# KiCad board MozzaCircuit.kicad_pcb (continued)
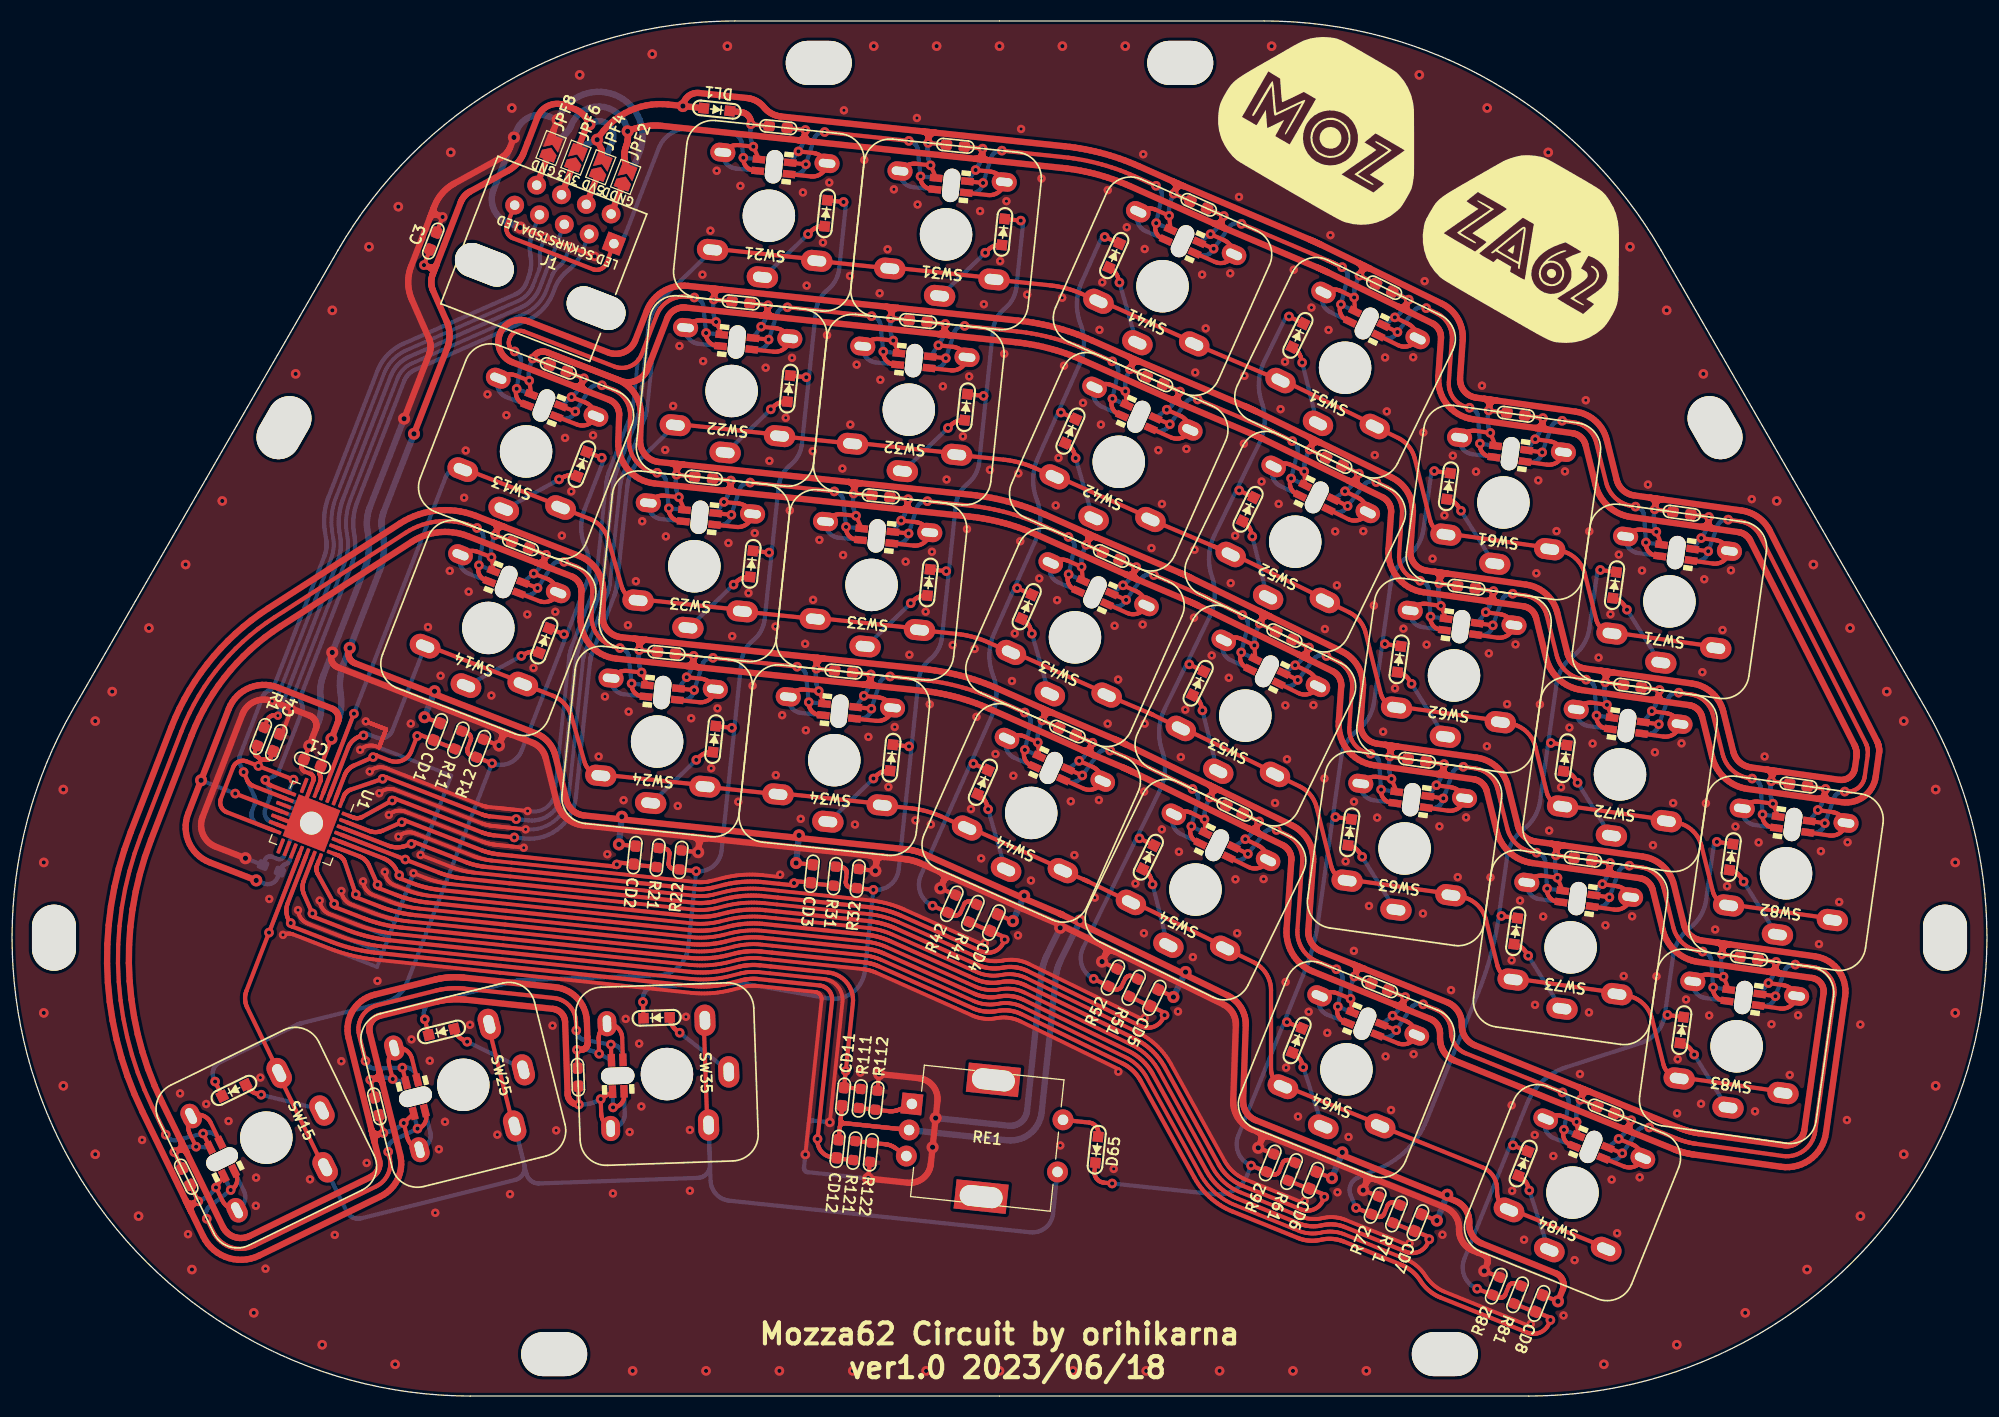
[diagram p0: board, top side]
## Routing (per net, layer and track width the routed paths; a pad name or vN(x,y) marks a point on that pad's centre or on a via; arc(x,y) is an arc through that point) (continued)
  Bottom w0.4: SW21.3 62.08,104.74 61.93,104.59 61.79,104.44 61.66,104.28 61.53,104.11 61.42,103.93 61.31,103.76 61.21,103.57 61.12,103.38 61.03,103.19 60.96,103 60.89,102.8 60.84,102.59 60.79,102.39 60.76,102.18 60.73,101.98 60.4,98.86 59.93,94.38 59.92,94.25 59.91,94.19 59.9,94.12 59.88,94.06 59.87,93.99 59.86,93.93 59.84,93.87 59.82,93.8 59.81,93.74 59.79,93.68 59.77,93.62 59.75,93.56 59.73,93.49 59.7,93.43 57.63,88.08 57.6,88.01 57.57,87.94 57.55,87.86 57.53,87.79 57.5,87.72 57.48,87.64 57.44,87.49 57.43,87.42 57.41,87.34 57.4,87.26 57.39,87.19 57.37,87.11 57.36,87.04 57.36,86.96 56.85,82.14 56.38,77.66 56.36,77.53 56.35,77.47 56.34,77.4 56.33,77.34 56.32,77.27 56.3,77.21 56.29,77.15 56.27,77.08 56.25,77.02 56.23,76.96 56.21,76.9 56.19,76.84 56.17,76.77 56.15,76.71 54.07,71.36 54.05,71.29 54.02,71.22 53.99,71.14 53.97,71.07 53.95,71 53.93,70.92 53.89,70.77 53.87,70.7 53.86,70.62 53.84,70.54 53.83,70.47 53.82,70.39 53.81,70.32 53.8,70.24 53.29,65.42 52.46,57.48 52.41,57.18 52.33,56.89 52.23,56.61 52.09,56.34 51.93,56.09 51.74,55.85 51.52,55.64 51.29,55.45 51.04,55.28 50.77,55.15 50.49,55.04 50.19,54.96 49.9,54.91 49.6,54.9 49.3,54.91 v2(48.1,55.04) ; 31.51,56.84 31.66,57.23 31.68,57.28 31.71,57.34 31.74,57.39 31.77,57.44 31.81,57.49 31.85,57.54 31.89,57.58 31.93,57.63 31.98,57.67 32.03,57.7 32.08,57.74 32.13,57.77 32.19,57.8 32.24,57.82 32.3,57.84 v2(35.36,58.88)
ROW2: length 199.3
  Top w0.4: 173.69,45.41 173.7,45.53 163.8,46.92 163.78,46.8 163.64,46.83 163.5,46.86 163.37,46.91 163.24,46.97 163.11,47.04 162.99,47.11 162.88,47.2 162.77,47.3 162.67,47.4 162.58,47.51 162.5,47.63 162.43,47.76 162.37,47.89 162.32,48.02 162.28,48.16 161.2,52.48 161.13,52.71 161.05,52.93 160.95,53.14 160.83,53.35 160.69,53.54 160.54,53.73 160.38,53.9 160.21,54.06 160.02,54.2 159.82,54.33 159.61,54.45 159.39,54.54 159.17,54.62 158.94,54.68 158.7,54.72 SW72.2 157.86,54.96 147.96,56.36 SW72.3 147.8,56.26 147.66,56.3 147.53,56.35 147.4,56.4 147.27,56.47 147.15,56.55 147.04,56.64 146.93,56.73 146.83,56.84 146.74,56.95 146.66,57.07 146.59,57.19 146.53,57.32 146.47,57.46 146.43,57.59 145.36,61.92 145.29,62.14 145.21,62.37 145.1,62.58 144.99,62.79 144.85,62.98 144.7,63.17 144.54,63.34 144.36,63.5 144.18,63.64 143.98,63.77 143.77,63.88 143.55,63.98 143.33,64.06 143.1,64.12 142.86,64.16 142,64.28 142.02,64.4 132.12,65.79 SW62.3 131.96,65.7 131.82,65.74 131.69,65.78 131.55,65.84 131.43,65.91 131.31,65.99 131.19,66.07 131.09,66.17 130.99,66.27 130.9,66.39 130.82,66.5 130.75,66.63 130.68,66.76 130.63,66.89 130.59,67.03 129.15,72.81 129.11,72.97 129.05,73.14 128.98,73.3 128.91,73.46 128.82,73.61 128.73,73.76 128.63,73.9 128.52,74.03 128.4,74.16 128.28,74.29 128.14,74.4 128.01,74.51 127.86,74.6 127.71,74.69 127.56,74.78 SW52.2 125.31,76 116.33,80.39 SW52.3 115.09,80.86 115.06,80.87 115.03,80.89 115,80.9 114.97,80.92 114.93,80.93 114.9,80.95 114.87,80.96 114.84,80.97 114.81,80.99 114.62,81.07 108.62,83.62 108.67,83.73 99.53,87.8 SW42.3 97.61,88.52 97.42,88.6 97.22,88.68 97.03,88.76 96.83,88.83 96.63,88.9 96.43,88.96 96.23,89.02 96.03,89.07 95.82,89.12 95.62,89.17 95.42,89.21 95.21,89.24 95,89.28 94.79,89.31 94.59,89.33 90.14,89.8 90.15,89.92 80.21,90.96 80.19,90.84 SW22.2 73.24,91.69 63.3,92.74 SW22.3 ; v2(47.92,53.29) 46.01,53.49 45.85,53.51 45.77,53.52 45.69,53.53 45.61,53.55 45.53,53.57 45.45,53.58 45.37,53.6 45.29,53.62 45.21,53.65 45.13,53.67 45.05,53.69 44.97,53.72 44.9,53.75 44.82,53.78 36.61,56.96 36.58,56.97 36.56,56.98 36.53,56.98 36.5,56.98 36.48,56.98 36.45,56.97 36.42,56.96 36.4,56.95 36.37,56.94 36.35,56.92 36.33,56.9 36.31,56.88 36.3,56.86 36.28,56.84 v2(36.27,56.81) 33.44,55.26 33.39,55.23 33.33,55.2 33.27,55.18 33.22,55.16 33.16,55.15 33.1,55.14 33.04,55.13 32.97,55.13 32.91,55.13 32.85,55.13 32.79,55.14 32.73,55.15 32.67,55.16 32.61,55.18 32.56,55.2 U1.28
  Bottom w0.4: v2(36.27,56.81) 33.44,55.26 33.39,55.23 33.33,55.2 33.27,55.18 33.22,55.16 33.16,55.15 33.1,55.14 33.04,55.13 32.97,55.13 32.91,55.13 32.85,55.13 32.79,55.14 32.73,55.15 32.67,55.16 32.61,55.18 32.56,55.2 U1.28 ; SW22.3 60.05,89.49 59.9,89.34 59.76,89.19 59.63,89.03 59.5,88.86 59.39,88.68 59.28,88.51 59.18,88.32 59.08,88.13 59,87.94 58.93,87.75 58.86,87.55 58.81,87.34 58.76,87.14 58.73,86.93 58.7,86.73 58.2,81.99 57.73,77.52 57.72,77.43 57.71,77.34 57.7,77.25 57.68,77.16 57.66,77.08 57.65,76.99 57.63,76.9 57.61,76.82 57.58,76.73 57.56,76.64 57.53,76.56 57.51,76.47 57.48,76.39 57.45,76.31 57.42,76.22 55.34,70.87 55.32,70.82 55.3,70.77 55.29,70.72 55.27,70.67 55.24,70.57 55.23,70.51 55.22,70.46 55.2,70.41 55.19,70.36 55.18,70.26 55.17,70.2 55.16,70.15 55.15,70.1 54.65,65.27 53.79,57.14 53.72,56.68 53.6,56.23 53.43,55.79 53.22,55.38 52.97,54.99 52.68,54.63 52.35,54.3 51.99,54.01 51.6,53.75 51.18,53.54 50.75,53.38 50.3,53.26 49.84,53.18 49.38,53.16 48.91,53.18 v2(47.92,53.29)
ROW3: length 196
  Top w0.4: 43.01,88.38 43.05,88.49 52.38,84.87 SW13.2 55.08,83.69 55.25,83.62 55.42,83.54 55.58,83.45 55.73,83.35 55.88,83.23 56.02,83.11 56.15,82.99 56.28,82.85 56.39,82.71 56.5,82.56 56.59,82.4 56.68,82.24 56.76,82.07 56.83,81.9 56.88,81.72 58.18,77.2 58.22,77.07 58.28,76.94 58.35,76.81 58.42,76.69 58.51,76.57 58.6,76.46 58.7,76.36 58.81,76.27 58.93,76.19 59.05,76.11 59.18,76.05 59.31,76 59.45,75.95 59.59,75.92 SW23.3 59.75,76.02 69.69,74.97 69.68,74.85 SW33.3 76.65,74.24 86.6,73.2 86.58,73.08 90.13,72.71 90.34,72.68 90.54,72.65 90.75,72.62 90.96,72.58 91.16,72.54 91.37,72.5 91.57,72.45 91.77,72.39 91.98,72.33 92.17,72.27 92.37,72.2 92.57,72.13 92.77,72.06 92.96,71.98 93.15,71.9 SW43.3 95.35,71.05 104.49,66.98 SW43.2 108.43,65.17 108.47,65.16 108.59,65.1 108.63,65.09 108.66,65.08 108.72,65.05 108.75,65.03 108.82,65 108.88,64.97 108.91,64.96 SW53.3 111.57,63.79 120.56,59.41 120.5,59.3 122.87,58.15 123.03,58.07 123.18,57.98 123.32,57.88 123.46,57.77 123.59,57.66 123.72,57.53 123.83,57.41 123.94,57.27 124.05,57.13 124.14,56.98 124.22,56.83 124.3,56.67 124.37,56.51 124.42,56.34 124.47,56.18 125.88,50.53 125.92,50.39 125.97,50.25 126.03,50.12 126.1,50 126.18,49.88 126.27,49.77 126.37,49.67 126.48,49.57 126.59,49.48 126.71,49.4 126.84,49.34 126.97,49.28 127.11,49.23 127.25,49.19 SW63.3 127.4,49.29 137.31,47.9 SW63.2 138.15,47.66 138.38,47.61 138.61,47.55 138.84,47.47 139.05,47.38 139.26,47.27 139.46,47.14 139.65,46.99 139.83,46.83 139.99,46.66 140.14,46.48 140.27,46.28 140.39,46.07 140.49,45.86 140.58,45.64 140.64,45.41 141.72,41.09 141.76,40.95 141.81,40.82 141.87,40.69 141.94,40.56 142.02,40.45 142.11,40.33 142.21,40.23 142.32,40.13 142.43,40.05 142.55,39.97 142.68,39.9 142.81,39.84 142.95,39.79 143.09,39.76 143.23,39.73 143.24,39.85 153.15,38.46 153.13,38.34 153.99,38.22 154.22,38.18 154.45,38.12 154.68,38.04 154.89,37.94 155.1,37.83 155.3,37.7 155.49,37.56 155.67,37.4 155.83,37.23 155.98,37.04 156.11,36.84 156.23,36.64 156.33,36.42 156.42,36.2 156.48,35.97 157.56,31.65 157.6,31.52 157.65,31.38 157.71,31.25 157.78,31.13 157.87,31.01 157.96,30.9 158.05,30.79 158.16,30.7 158.28,30.61 158.4,30.53 158.52,30.46 158.65,30.41 158.79,30.36 158.93,30.32 159.07,30.3 159.09,30.41 168.99,29.02 SW83.2 ; U1.4 v2(32.62,65.09)
  Bottom w0.4: U1.4 v2(32.62,65.09) 41.37,87.65 41.42,87.77 41.49,87.89 41.57,88 41.66,88.09 41.76,88.18 41.86,88.26 41.98,88.33 42.1,88.38 42.23,88.42 42.36,88.45 42.49,88.46 42.62,88.46 42.75,88.45 42.88,88.42 43.01,88.38
ROW4: length 164
  Top w0.4: SW84.2 152.14,14.12 142.87,17.87 142.83,17.76 142.7,17.82 142.57,17.89 142.45,17.97 142.34,18.05 142.23,18.15 142.13,18.26 142.05,18.37 141.96,18.49 141.89,18.61 141.83,18.74 141.78,18.88 141.74,19.01 141.72,19.16 141.7,19.3 141.69,19.44 141.69,19.74 141.69,19.91 141.67,20.09 141.63,20.27 141.58,20.44 141.52,20.6 141.44,20.76 141.36,20.92 141.26,21.07 141.15,21.21 141.03,21.34 140.89,21.46 140.75,21.57 140.6,21.66 140.45,21.75 140.29,21.82 SW64.2 130.58,25.88 121.3,29.62 121.26,29.51 121.13,29.57 121,29.64 120.88,29.72 120.77,29.81 120.66,29.9 120.57,30.01 120.48,30.12 120.4,30.24 120.33,30.36 120.26,30.49 120.21,30.63 120.18,30.77 120.15,30.91 120.13,31.05 120.12,31.19 120.12,38.7 120.12,38.92 120.09,39.14 120.05,39.36 119.99,39.58 119.92,39.79 119.83,39.99 119.73,40.19 119.61,40.38 119.48,40.56 119.33,40.73 119.17,40.89 119,41.04 118.83,41.17 118.64,41.29 118.44,41.39 SW54.2 115.8,42.82 106.81,47.2 SW54.3 102.7,49.07 102.67,49.09 102.63,49.1 102.6,49.12 102.57,49.13 102.54,49.15 102.51,49.16 102.48,49.18 102.44,49.19 102.41,49.21 102.38,49.22 102.35,49.23 102.25,49.28 102.22,49.29 SW44.2 100.31,50.23 91.18,54.3 SW44.3 88.7,55.27 88.51,55.35 88.31,55.43 88.12,55.51 87.92,55.58 87.72,55.64 87.52,55.71 87.32,55.77 87.12,55.82 86.91,55.87 86.71,55.92 86.51,55.96 86.3,55.99 86.09,56.03 85.88,56.06 85.68,56.08 83.03,56.36 83.04,56.48 73.1,57.52 73.09,57.4 SW24.2 66.14,58.25 56.19,59.3 SW24.3 56.04,59.2 55.9,59.23 55.76,59.28 55.63,59.33 55.5,59.39 55.38,59.47 55.26,59.55 55.15,59.64 55.05,59.74 54.95,59.85 54.87,59.97 54.79,60.09 54.73,60.22 54.67,60.35 54.62,60.48 53.37,64.85 53.32,65.02 53.25,65.2 53.17,65.36 53.09,65.53 52.99,65.68 52.88,65.83 52.77,65.98 52.64,66.11 52.51,66.24 52.37,66.36 52.22,66.47 52.07,66.57 51.91,66.67 51.74,66.75 51.57,66.82 48.73,67.92 48.78,68.03 39.45,71.65 39.41,71.54 ; U1.3 32.05,61.83 32.1,61.96 32.17,62.07 32.23,62.19 32.31,62.3 32.39,62.4 32.48,62.5 32.58,62.59 32.69,62.67 32.79,62.74 32.91,62.81 33.03,62.87 33.15,62.92 33.27,62.97 33.4,63 v2(33.53,63.02)
  Bottom w0.4: U1.3 32.05,61.83 32.1,61.96 32.17,62.07 32.23,62.19 32.31,62.3 32.39,62.4 32.48,62.5 32.58,62.59 32.69,62.67 32.79,62.74 32.91,62.81 33.03,62.87 33.15,62.92 33.27,62.97 33.4,63 v2(33.53,63.02) 33.54,63.05 33.56,63.07 33.57,63.09 33.59,63.11 33.61,63.13 33.63,63.15 33.66,63.16 33.68,63.17 33.71,63.18 33.74,63.19 33.76,63.19 33.79,63.19 33.82,63.19 33.84,63.18 33.87,63.17 34.75,62.83 34.86,62.79 34.99,62.77 35.11,62.75 35.24,62.75 35.36,62.77 35.49,62.79 35.61,62.83 35.72,62.88 35.83,62.94 35.93,63.02 36.02,63.1 36.11,63.19 36.18,63.29 36.25,63.4 36.3,63.52 39.41,71.54
ROW5: length 160
  Top w0.4: SW25.2 45.42,35.43 47.84,25.73 SW25.3 ; SW35.3 66.34,25.85 65.99,35.84 SW35.2 ; U1.18 v2(24.52,44.21) 22.37,38.67 22.33,38.56 22.3,38.46 22.28,38.35 22.26,38.24 22.24,38.13 22.23,38.02 22.23,37.91 22.24,37.8 22.25,37.69 22.27,37.59 22.29,37.48 22.32,37.37 22.35,37.27 22.39,37.17 22.44,37.07 25.49,30.81 25.38,30.76 29.76,21.77 SW15.3
  Bottom w0.4: RE1.S2 99.33,17.4 99.3,17.19 99.25,16.99 99.17,16.79 99.08,16.61 98.96,16.43 98.83,16.27 98.68,16.12 98.52,15.99 98.34,15.88 98.16,15.78 97.96,15.71 97.76,15.65 97.55,15.62 97.34,15.61 97.13,15.62 68.43,18.64 68.25,18.66 68.06,18.71 67.88,18.78 67.71,18.86 67.54,18.95 67.39,19.07 67.25,19.19 67.12,19.33 67,19.48 66.9,19.65 66.81,19.82 66.75,19.99 66.69,20.18 66.66,20.37 66.64,20.56 SW35.3 66.59,22.05 66.59,21.93 66.57,21.8 66.55,21.68 66.51,21.56 66.45,21.45 66.39,21.34 66.31,21.24 66.23,21.15 66.13,21.06 66.03,20.99 65.92,20.93 65.8,20.88 65.68,20.85 65.56,20.82 65.43,20.81 50.3,20.28 50.19,20.28 50.08,20.29 49.97,20.32 49.87,20.35 49.77,20.39 49.67,20.43 49.58,20.49 49.49,20.56 49.41,20.63 49.34,20.71 49.27,20.8 49.21,20.89 49.16,20.99 49.12,21.09 49.09,21.19 SW25.3 48.87,22.07 48.9,21.95 48.91,21.82 48.91,21.7 48.89,21.57 48.86,21.45 48.82,21.33 48.77,21.22 48.7,21.11 48.63,21.01 48.54,20.92 48.45,20.84 48.34,20.76 48.23,20.7 48.12,20.65 48,20.62 33.3,16.95 33.2,16.93 33.09,16.92 32.98,16.92 32.87,16.93 32.76,16.94 32.66,16.97 32.56,17.01 32.46,17.05 32.36,17.11 32.27,17.17 32.19,17.24 32.12,17.32 32.05,17.4 31.99,17.5 31.93,17.59 SW15.3 ; U1.18 v2(24.52,44.21)
SCK_SDA: length 72.3
  Top w0.4: U1.8 24.72,58.24 24.67,58.26 24.62,58.28 24.58,58.31 24.53,58.33 24.49,58.36 24.45,58.39 24.41,58.43 24.37,58.46 24.34,58.5 24.3,58.54 24.27,58.58 24.24,58.63 24.21,58.67 24.19,58.72 24.17,58.77 v2(24.16,58.78)
  Bottom w0.4: 25.21,54.56 24.74,54.74 24.65,54.79 24.56,54.84 24.47,54.9 24.4,54.97 24.33,55.05 24.26,55.13 24.21,55.22 24.17,55.32 24.14,55.42 24.12,55.52 24.1,55.63 24.11,55.73 24.12,55.83 24.14,55.94 24.17,56.04 24.58,57.1 24.6,57.15 24.62,57.2 24.63,57.25 24.64,57.3 24.65,57.35 24.65,57.4 24.65,57.45 24.65,57.51 24.65,57.56 24.64,57.61 24.63,57.66 24.62,57.71 24.6,57.76 24.59,57.81 24.57,57.86 v2(24.16,58.78) 24.95,59.12 24.99,59.14 25.04,59.17 25.09,59.2 25.13,59.23 25.17,59.26 25.21,59.29 25.25,59.33 25.29,59.37 25.32,59.4 25.35,59.45 25.38,59.49 25.41,59.53 25.43,59.58 25.46,59.63 25.48,59.68 27.62,65.21 27.64,65.25 27.66,65.31 27.68,65.36 27.69,65.42 27.7,65.47 27.71,65.53 27.71,65.59 27.71,65.65 27.71,65.7 27.71,65.76 27.7,65.82 27.69,65.87 27.68,65.93 27.66,65.98 27.64,66.04 27.6,66.14 27.58,66.2 27.56,66.25 27.55,66.31 27.54,66.36 27.53,66.42 27.53,66.48 27.53,66.53 27.53,66.59 27.54,66.65 27.54,66.71 27.55,66.76 27.57,66.82 27.58,66.87 27.6,66.93 29.52,71.87 32.35,79.15 32.41,79.34 32.48,79.53 32.53,79.72 32.58,79.92 32.62,80.11 32.66,80.31 32.69,80.5 32.71,80.7 32.72,80.9 32.73,81.1 32.73,81.3 32.73,81.5 32.71,81.7 32.69,81.9 32.66,82.1 32.62,82.38 32.59,82.58 32.57,82.77 32.56,82.97 32.55,83.17 32.56,83.37 32.56,83.57 32.58,83.77 32.6,83.96 32.63,84.16 32.66,84.36 32.7,84.55 32.75,84.74 32.81,84.94 32.87,85.12 32.94,85.31 36.01,93.24 37.4,96.8 37.44,96.89 37.48,96.99 37.53,97.08 37.59,97.17 37.65,97.26 37.71,97.34 37.78,97.42 37.85,97.49 37.93,97.57 38.01,97.63 38.09,97.7 38.18,97.76 38.27,97.81 38.36,97.86 38.45,97.9 49.11,102.61 49.34,102.71 49.55,102.83 49.77,102.96 49.97,103.1 50.17,103.25 50.36,103.41 50.54,103.58 50.71,103.75 50.87,103.94 51.02,104.14 51.16,104.34 51.29,104.55 51.41,104.77 51.51,104.99 51.61,105.22 51.79,105.68 51.84,105.81 51.9,105.94 51.96,106.07 52.03,106.19 52.1,106.31 52.17,106.43 52.25,106.55 52.34,106.66 52.42,106.77 52.51,106.88 52.61,106.98 52.71,107.08 52.81,107.18 52.91,107.28 53.02,107.37 53.1,107.43 53.18,107.49 53.29,107.58 53.39,107.68 53.49,107.77 53.59,107.87 53.69,107.98 53.78,108.09 53.86,108.2 53.95,108.31 54.03,108.43 54.1,108.54 54.17,108.67 54.24,108.79 54.3,108.92 54.36,109.04 54.41,109.17 J1.3
SDA_SCK: length 76.9
  Top w0.4: 26.15,56.99 22.99,58.21 22.94,58.23 22.9,58.25 22.85,58.28 22.81,58.31 22.76,58.34 22.72,58.37 22.68,58.4 22.64,58.44 22.61,58.48 22.57,58.52 22.54,58.56 22.51,58.6 22.49,58.65 22.46,58.69 22.44,58.74 v2(22.09,59.52)
  Bottom w0.4: J1.7 49.67,111.01 49.62,110.88 49.58,110.75 49.54,110.61 49.51,110.47 49.48,110.34 49.45,110.2 49.43,110.06 49.42,109.92 49.41,109.78 49.4,109.64 49.4,109.5 49.41,109.36 49.41,109.22 49.43,109.08 49.45,108.94 49.48,108.74 49.5,108.6 49.51,108.46 49.52,108.32 49.53,108.18 49.53,108.04 49.52,107.9 49.51,107.76 49.49,107.62 49.47,107.48 49.45,107.34 49.42,107.2 49.39,107.07 49.35,106.93 49.3,106.8 49.25,106.67 49.07,106.2 49.03,106.11 48.99,106.01 48.94,105.92 48.88,105.83 48.82,105.74 48.76,105.66 48.69,105.58 48.62,105.51 48.54,105.43 48.46,105.37 48.38,105.3 48.29,105.24 48.2,105.19 48.11,105.14 48.02,105.1 37.36,100.39 37.13,100.29 36.91,100.17 36.7,100.04 36.5,99.9 36.3,99.75 36.11,99.59 35.93,99.42 35.76,99.25 35.6,99.06 35.45,98.86 35.31,98.66 35.18,98.45 35.06,98.23 34.95,98.01 34.86,97.78 33.48,94.22 30.19,85.75 30.12,85.55 30.05,85.34 29.99,85.13 29.94,84.92 29.89,84.71 29.85,84.49 29.82,84.28 29.8,84.06 29.78,83.84 29.77,83.62 29.77,83.41 29.78,83.19 29.79,82.97 29.81,82.75 29.84,82.54 29.98,81.68 29.99,81.58 30,81.47 30.01,81.37 30.01,81.26 30.01,81.16 30.01,81.05 30,80.95 29.99,80.84 29.97,80.74 29.95,80.64 29.93,80.54 29.91,80.43 29.88,80.33 29.85,80.23 29.81,80.14 26.99,72.86 25.07,67.91 25.04,67.86 25.02,67.8 24.99,67.75 24.96,67.71 24.93,67.66 24.89,67.61 24.86,67.57 24.82,67.53 24.78,67.49 24.73,67.45 24.69,67.42 24.64,67.39 24.59,67.36 24.54,67.33 24.49,67.3 24.44,67.28 24.39,67.25 24.34,67.22 24.29,67.19 24.24,67.16 24.2,67.12 24.16,67.08 24.12,67.04 24.08,67 24.05,66.95 24.02,66.9 23.99,66.85 23.96,66.8 23.93,66.75 23.91,66.7 23.89,66.66 21.73,61.07 21.71,61.02 21.7,60.97 21.68,60.92 21.67,60.87 21.67,60.82 21.66,60.77 21.66,60.72 21.66,60.66 21.67,60.61 21.67,60.56 21.68,60.51 21.69,60.46 21.71,60.41 21.73,60.36 21.75,60.31 v2(22.09,59.52) 23.12,57.19 23.14,57.14 23.16,57.09 23.18,57.04 23.19,56.99 23.2,56.93 23.2,56.88 23.21,56.83 23.21,56.78 23.21,56.73 23.2,56.67 23.2,56.62 23.19,56.57 23.17,56.52 23.16,56.47 23.14,56.42 22.91,55.83 22.88,55.73 22.86,55.63 22.85,55.52 22.85,55.42 22.86,55.31 22.88,55.21 22.91,55.11 22.95,55.02 23,54.92 23.06,54.84 23.13,54.76 23.21,54.69 23.3,54.63 23.39,54.58 23.48,54.53 U2.8
Net-(D13-Pad1): length 98.3
  Top w0.4: D14.1 52.9,72.58 ; D15.1 19.26,30.22 ; 54.82,90.07 56.5,89.42 ; 42.92,63.43 43.47,63.22 43.52,63.19 43.57,63.17 43.61,63.14 43.65,63.1 43.68,63.06 43.71,63.02 43.74,62.98 43.76,62.93 43.78,62.88 43.79,62.83 43.79,62.77 43.79,62.72 43.79,62.67 43.78,62.62 43.76,62.57 43.61,62.18 43.46,61.8 43.45,61.75 43.43,61.7 43.43,61.65 43.43,61.6 43.43,61.54 43.44,61.49 43.46,61.44 43.48,61.39 43.51,61.35 43.54,61.31 43.57,61.27 43.61,61.23 43.65,61.2 43.7,61.18 43.75,61.15 R12.1 v2(45.8,60.36)
  Bottom w0.4: 52.9,72.58 48.65,61.61 48.55,61.4 48.44,61.21 48.3,61.02 48.14,60.85 47.97,60.7 47.79,60.56 47.59,60.45 47.38,60.35 47.16,60.28 46.93,60.24 46.7,60.21 46.47,60.21 46.24,60.24 46.02,60.29 v2(45.8,60.36) ; 52.9,72.58 D14.1 ; 52.9,72.58 54.78,77.43 54.86,77.66 54.93,77.89 54.99,78.13 55.04,78.37 55.07,78.61 55.09,78.86 55.1,79.1 55.09,79.34 55.07,79.59 55.04,79.83 55,80.07 54.94,80.31 54.87,80.54 54.79,80.77 54.7,81 54.61,81.22 54.53,81.46 54.46,81.69 54.4,81.93 54.36,82.17 54.33,82.41 54.31,82.65 54.3,82.9 54.31,83.14 54.33,83.38 54.36,83.63 54.41,83.87 54.47,84.1 54.54,84.34 54.62,84.57 56.5,89.42 54.82,90.07 ; 42.92,63.43 43.47,63.22 43.52,63.19 43.57,63.17 43.61,63.14 43.65,63.1 43.68,63.06 43.71,63.02 43.74,62.98 43.76,62.93 43.78,62.88 43.79,62.83 43.79,62.77 43.79,62.72 43.79,62.67 43.78,62.62 43.76,62.57 43.61,62.18 43.46,61.8 43.45,61.75 43.43,61.7 43.43,61.65 43.43,61.6 43.43,61.54 43.44,61.49 43.46,61.44 43.48,61.39 43.51,61.35 43.54,61.31 43.57,61.27 43.61,61.23 43.65,61.2 43.7,61.18 43.75,61.15 R12.1 v2(45.8,60.36) ; v2(45.8,60.36) 37.66,39.39 37.59,39.21 37.5,39.04 37.41,38.87 37.3,38.72 37.18,38.56 37.06,38.42 36.92,38.29 36.78,38.16 36.63,38.04 36.47,37.93 36.3,37.84 36.13,37.75 35.96,37.68 35.78,37.61 35.59,37.56 27.67,35.59 27.63,35.58 27.59,35.56 27.51,35.54 27.43,35.51 27.39,35.5 27.35,35.49 27.27,35.46 27.24,35.44 27.2,35.42 27.12,35.39 27.08,35.37 19.82,31.83 19.71,31.77 19.6,31.69 19.51,31.61 19.42,31.52 19.35,31.42 19.28,31.31 19.23,31.2 19.19,31.08 19.16,30.96 19.15,30.83 19.14,30.71 19.15,30.58 19.18,30.46 19.22,30.34 19.26,30.22 D15.1
  vias: v2(19.37,30) v2(52.67,72.67) v2(56.27,89.51)
Net-(D13-Pad2): length 9.7
  Top w0.4: v2(52.19,87.44) 52.57,87.65 52.65,87.69 52.74,87.73 52.83,87.76 52.91,87.79 53,87.81 53.1,87.83 53.19,87.84 53.28,87.85 53.37,87.85 53.47,87.84 53.56,87.83 53.65,87.82 53.74,87.8 53.83,87.77 53.92,87.74
  Bottom w0.4: SW13.1 46.94,84.61 46.95,84.61 46.98,84.61 47,84.61 47.02,84.61 47.03,84.61 47.07,84.63 47.08,84.63 47.09,84.64 v2(52.19,87.44) 52.57,87.65 52.65,87.69 52.74,87.73 52.83,87.76 52.91,87.79 53,87.81 53.1,87.83 53.19,87.84 53.28,87.85 53.37,87.85 53.47,87.84 53.56,87.83 53.65,87.82 53.74,87.8 53.83,87.77 53.92,87.74
Net-(D14-Pad2): length 9.7
  Top w0.4: D14.2 50.23,70.93 50.14,70.96 50.05,70.98 49.96,70.99 49.87,71 49.77,71.01 49.68,71.01 49.59,71 49.49,70.99 49.4,70.97 49.31,70.95 49.22,70.92 49.14,70.89 49.05,70.85 48.97,70.81 v2(48.59,70.6)
  Bottom w0.4: D14.2 50.23,70.93 50.14,70.96 50.05,70.98 49.96,70.99 49.87,71 49.77,71.01 49.68,71.01 49.59,71 49.49,70.99 49.4,70.97 49.31,70.95 49.22,70.92 49.14,70.89 49.05,70.85 48.97,70.81 v2(48.59,70.6) 43.49,67.8 43.48,67.79 43.47,67.79 43.43,67.77 43.42,67.77 43.4,67.77 43.38,67.77 43.35,67.77 43.34,67.77 SW14.1
Net-(D15-Pad2): length 9.7
  Top w0.4: v2(23.77,28.75) 23.35,28.85 23.26,28.88 23.17,28.91 23.09,28.94 23,28.98 22.92,29.03 22.84,29.08 22.77,29.13 22.7,29.19 22.63,29.25 22.56,29.32 22.5,29.39 22.44,29.46 22.39,29.54 22.34,29.62 D15.2
  Bottom w0.4: D15.2 22.34,29.62 22.39,29.54 22.44,29.46 22.5,29.39 22.56,29.32 22.63,29.25 22.7,29.19 22.77,29.13 22.84,29.08 22.92,29.03 23,28.98 23.09,28.94 23.17,28.91 23.26,28.88 23.35,28.85 v2(23.77,28.75) 29.42,27.34 29.43,27.33 29.45,27.33 29.46,27.32 29.49,27.31 29.51,27.3 29.52,27.29 29.53,27.27 29.55,27.26 29.56,27.25 SW15.1
Net-(D21-Pad1): length 131.2
  Top w0.4: v2(65.28,50.07) 63.69,50.23 63.09,50.3 63.04,50.3 62.99,50.32 62.94,50.34 62.89,50.36 62.85,50.39 62.81,50.42 62.77,50.46 62.74,50.5 62.71,50.54 62.68,50.59 62.67,50.64 62.65,50.69 62.64,50.74 62.64,50.79 62.64,50.85 62.73,51.67 62.73,51.72 62.73,51.77 62.72,51.82 62.71,51.87 62.69,51.92 62.67,51.97 62.64,52.01 62.6,52.05 62.57,52.09 62.53,52.12 62.48,52.15 62.44,52.18 62.39,52.19 62.34,52.21 62.28,52.22 61.69,52.28 ; 77.8,114.07 79.59,113.88 ; 70.69,80.63 72.48,80.44 ; D25.1 39.33,36.18 ; D22.1 76.03,97.16 ; D24.1 68.92,63.72
  Bottom w0.4: 68.92,63.72 69.59,70.03 69.61,70.19 69.64,70.35 69.67,70.5 69.72,70.65 69.77,70.81 69.83,70.95 69.9,71.1 69.98,71.24 70.06,71.37 70.15,71.5 70.25,71.63 70.35,71.75 70.46,71.87 70.58,71.98 70.82,72.19 70.94,72.3 71.05,72.41 71.15,72.53 71.25,72.66 71.34,72.79 71.42,72.93 71.5,73.07 71.57,73.21 71.63,73.36 71.68,73.51 71.73,73.66 71.76,73.82 71.79,73.98 71.81,74.13 72.48,80.44 ; 68.92,63.72 D24.1 ; 68.92,63.72 67.69,52.02 67.66,51.8 67.6,51.57 67.52,51.36 67.41,51.15 67.29,50.96 67.14,50.78 66.98,50.62 66.8,50.47 66.61,50.35 66.4,50.24 66.19,50.16 65.96,50.1 65.74,50.07 65.51,50.05 v2(65.28,50.07) ; 72.48,80.44 73.14,86.75 73.16,86.91 73.19,87.07 73.23,87.22 73.27,87.37 73.33,87.53 73.39,87.67 73.46,87.82 73.53,87.96 73.62,88.09 73.71,88.22 73.8,88.35 73.91,88.47 74.02,88.59 74.13,88.7 74.38,88.91 74.49,89.02 74.6,89.13 74.71,89.25 74.8,89.38 74.89,89.51 74.98,89.65 75.05,89.79 75.12,89.93 75.18,90.08 75.24,90.23 75.28,90.38 75.32,90.54 75.35,90.7 75.37,90.85 76.03,97.16 ; 72.48,80.44 70.69,80.63 ; v2(65.28,50.07) 63.69,50.23 63.09,50.3 63.04,50.3 62.99,50.32 62.94,50.34 62.89,50.36 62.85,50.39 62.81,50.42 62.77,50.46 62.74,50.5 62.71,50.54 62.68,50.59 62.67,50.64 62.65,50.69 62.64,50.74 62.64,50.79 62.64,50.85 62.73,51.67 62.73,51.72 62.73,51.77 62.72,51.82 62.71,51.87 62.69,51.92 62.67,51.97 62.64,52.01 62.6,52.05 62.57,52.09 62.53,52.12 62.48,52.15 62.44,52.18 62.39,52.19 62.34,52.21 62.28,52.22 61.69,52.28 ; v2(65.28,50.07) 64.51,42.82 64.47,42.53 64.4,42.26 64.3,41.99 64.18,41.73 64.04,41.48 63.87,41.25 63.68,41.04 63.47,40.84 63.24,40.67 63,40.51 62.74,40.39 62.48,40.28 62.2,40.21 61.92,40.15 61.64,40.13 48.67,39.68 48.58,39.67 48.54,39.67 48.41,39.66 48.29,39.64 48.25,39.63 48.13,39.61 48.08,39.6 48.04,39.59 40.2,37.64 40.08,37.6 39.96,37.55 39.85,37.49 39.75,37.42 39.66,37.33 39.57,37.24 39.5,37.14 39.43,37.03 39.38,36.92 39.34,36.8 39.31,36.68 39.29,36.55 39.29,36.43 39.3,36.3 39.33,36.18 D25.1 ; 76.03,97.16 D22.1 ; 76.03,97.16 76.69,103.47 76.72,103.63 76.74,103.79 76.78,103.94 76.83,104.09 76.88,104.25 76.94,104.39 77.01,104.54 77.09,104.68 77.17,104.81 77.26,104.94 77.36,105.07 77.46,105.19 77.57,105.31 77.69,105.42 77.93,105.63 78.05,105.74 78.16,105.85 78.26,105.97 78.36,106.1 78.45,106.23 78.53,106.37 78.61,106.51 78.68,106.65 78.74,106.8 78.79,106.95 78.84,107.1 78.87,107.26 78.9,107.42 78.92,107.57 79.59,113.88 77.8,114.07
  vias: v2(39.39,35.94) v2(68.67,63.75) v2(72.23,80.47) v2(75.78,97.19) v2(79.34,113.91)
